# KiCad board RP2040-Breadstick Panel.kicad_pcb (continued)
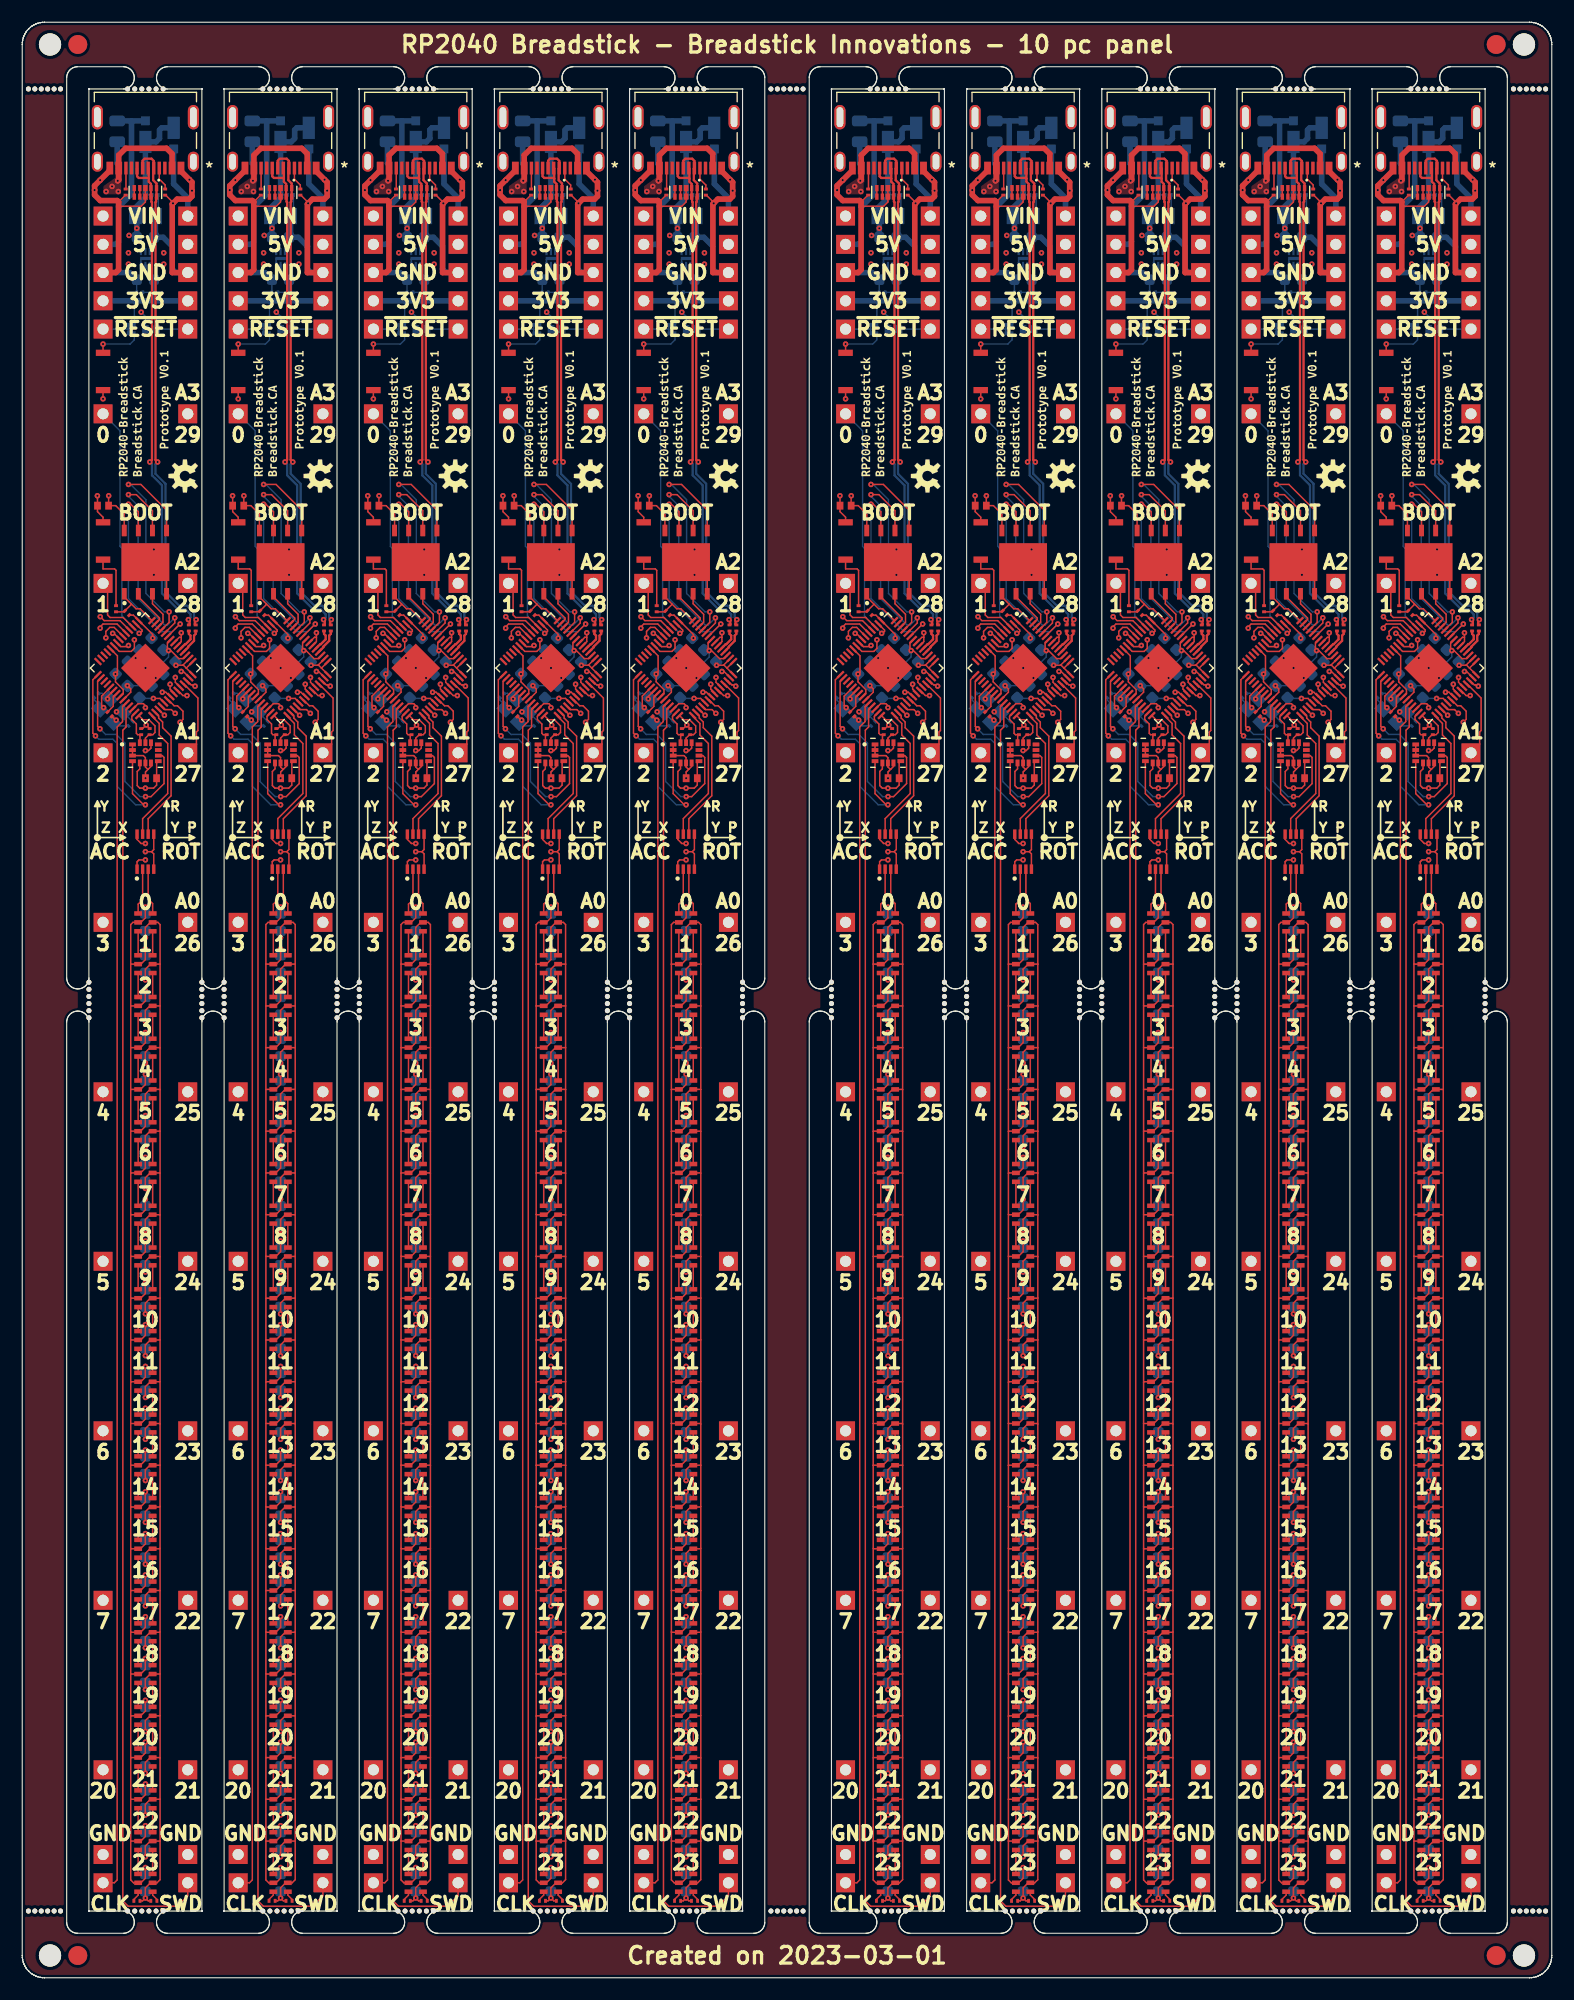
[diagram p0: board, top side]
## Nets (continued)
Board_6-Net-(LED302-Pad6): LED302.6 LED303#4.4
Board_6-Net-(LED303-Pad1): LED303#4.1 LED304#5.3
Board_6-Net-(LED303-Pad6): LED303#4.6 LED304#5.4
Board_6-Net-(LED304-Pad1): LED304#5.1 LED305#8.3
Board_6-Net-(LED304-Pad6): LED304#5.6 LED305#8.4
Board_6-Net-(LED305-Pad1): LED305#8.1 LED306#2.3
Board_6-Net-(LED305-Pad6): LED305#8.6 LED306#2.4
Board_6-Net-(LED306-Pad1): LED306#2.1 LED307.3
Board_6-Net-(LED306-Pad6): LED306#2.6 LED307.4
Board_6-Net-(LED307-Pad1): LED307.1 LED308#8.3
Board_6-Net-(LED307-Pad6): LED307.6 LED308#8.4
Board_6-Net-(LED308-Pad1): LED308#8.1 LED309#2.3
Board_6-Net-(LED308-Pad6): LED308#8.6 LED309#2.4
Board_6-Net-(LED309-Pad1): LED309#2.1 LED310#4.3
Board_6-Net-(LED309-Pad6): LED309#2.6 LED310#4.4
Board_6-Net-(LED310-Pad1): LED310#4.1 LED311#9.3
Board_6-Net-(LED310-Pad6): LED310#4.6 LED311#9.4
Board_6-Net-(LED311-Pad1): LED311#9.1 LED312#8.3
Board_6-Net-(LED311-Pad6): LED311#9.6 LED312#8.4
Board_6-Net-(LED312-Pad1): LED312#8.1 LED313#4.3
Board_6-Net-(LED312-Pad6): LED312#8.6 LED313#4.4
Board_6-Net-(LED313-Pad1): LED313#4.1 LED314#2.3
Board_6-Net-(LED313-Pad6): LED313#4.6 LED314#2.4
Board_6-Net-(LED314-Pad1): LED314#2.1 LED315#2.3
Board_6-Net-(LED314-Pad6): LED314#2.6 LED315#2.4
Board_6-Net-(LED315-Pad1): LED315#2.1 LED316#9.3
Board_6-Net-(LED315-Pad6): LED315#2.6 LED316#9.4
Board_6-Net-(LED316-Pad1): LED316#9.1 LED317#8.3
Board_6-Net-(LED316-Pad6): LED316#9.6 LED317#8.4
Board_6-Net-(LED317-Pad1): LED317#8.1 LED318#3.3
Board_6-Net-(LED317-Pad6): LED317#8.6 LED318#3.4
Board_6-Net-(LED318-Pad1): LED318#3.1 LED319#3.3
Board_6-Net-(LED318-Pad6): LED318#3.6 LED319#3.4
Board_6-Net-(LED319-Pad1): LED319#3.1 LED320#9.3
Board_6-Net-(LED319-Pad6): LED319#3.6 LED320#9.4
Board_6-Net-(LED320-Pad1): LED320#9.1 LED321#9.3
Board_6-Net-(LED320-Pad6): LED320#9.6 LED321#9.4
Board_6-Net-(LED321-Pad1): LED321#9.1 LED322#10.3
Board_6-Net-(LED321-Pad6): LED321#9.6 LED322#10.4
Board_6-Net-(LED322-Pad1): LED322#10.1 LED323.3
Board_6-Net-(LED322-Pad6): LED322#10.6 LED323.4
Board_6-Net-(LED323-Pad1): LED323.1 LED324#7.3
Board_6-Net-(LED323-Pad6): LED323.6 LED324#7.4
Board_6-Net-(LED324-Pad1): LED324#7.1 R305.1
Board_6-Net-(LED324-Pad6): LED324#7.6 R304#7.1
Board_6-Net-(R201-Pad2): R201#6.2 U201#6.21
Board_6-Net-(R204-Pad1): R204.1 SW201#2.2
Board_6-Net-(R211-Pad1): R211#8.1 SW202.2
Board_6-Net-(U202-Pad4): U202#4.4 U202#4.7
Board_6-Net-(U202-Pad5): U202#4.5 U202#4.6
Board_6-SWCLK: J223#9.1 U201#6.24
Board_6-SWD: J224#7.1 U201#6.25
Board_6-unconnected-(J221-PadA8): J221#2.A8
Board_6-unconnected-(J221-PadB8): J221#2.B8
Board_6-unconnected-(U201-Pad11): U201#6.11
Board_6-unconnected-(U201-Pad12): U201#6.12
Board_6-unconnected-(U201-Pad13): U201#6.13
Board_6-unconnected-(U201-Pad14): U201#6.14
Board_6-unconnected-(U201-Pad17): U201#6.17
Board_6-unconnected-(U201-Pad18): U201#6.18
Board_6-unconnected-(U401-Pad10): U401#5.10
Board_6-unconnected-(U401-Pad11): U401#5.11
Board_6-VBUS: F501#4.1 J221#2.A4/B9 J221#2.B4/A9
Board_6-VHI: C303#9.1 C304#4.1 C305.1 C306#6.1 C307#6.1 C308.1 C309#8.1 C310#10.1 C311#4.1 C312.1 C313#4.1 C314#2.1 C315#6.1 C316#7.1 C317#10.1 C318#4.1 C319#2.1 C320#10.1 C321#2.1 C322#8.1 C323#7.1 C324.1 C325#2.1 C326#10.1 C501#5.1 C502.1 D501#3.1 D502.1 IC301.1 LED301#8.5 LED302.5 LED303#4.5 LED304#5.5 LED305#8.5 LED306#2.5 LED307.5 LED308#8.5 LED309#2.5 LED310#4.5 LED311#9.5 LED312#8.5 LED313#4.5 LED314#2.5 LED315#2.5 LED316#9.5 LED317#8.5 LED318#3.5 LED319#3.5 LED320#9.5 LED321#9.5 LED322#10.5 LED323.5 LED324#7.5 R501#7.2 U501#4.4 U501#4.5 U501#4.6
Board_6-VIN: D501#3.2 J501#8.1 J502#8.1
Board_7-3V3_LDO: C205#5.1 C206#2.1 C210.1 C211#6.1 C216#8.1 C401#3.1 C503#9.1 IC301#4.8 J507#2.1 J508#8.1 R205#4.1 R208#10.1 R209#8.2 R210#10.2 R502#6.2 U201#5.1 U201#5.10 U201#5.22 U201#5.33 U201#5.42 U201#5.43 U201#5.44 U201#5.48 U201#5.49 U203#6.8 U401#10.5 U401#10.8 U401#10.12 U501#10.1 U501#10.2
Board_7-+1V1: C202#4.1 C204#7.1 U201#5.23 U201#5.45 U201#5.50
Board_7-/Addressable RGB LEDs/CLK: IC301#4.2 LED301#6.4
Board_7-/Addressable RGB LEDs/DATA: IC301#4.3 LED301#6.3
Board_7-/RP2040/ADC0: J220#8.1 U201#5.38
Board_7-/RP2040/ADC1: J219#7.1 U201#5.39
Board_7-/RP2040/ADC2: J218#2.1 U201#5.40
Board_7-/RP2040/ADC3: J217#5.1 U201#5.41
Board_7-/RP2040/D0: J205#10.1 U201#5.2
Board_7-/RP2040/D1: J206#2.1 U201#5.3
Board_7-/RP2040/D2: J207#9.1 U201#5.4
Board_7-/RP2040/D3: J208#4.1 U201#5.5
Board_7-/RP2040/D4: J209#5.1 U201#5.6
Board_7-/RP2040/D5: J210#6.1 U201#5.7
Board_7-/RP2040/D6: J211#3.1 U201#5.8
Board_7-/RP2040/D7: J212#4.1 U201#5.9
Board_7-/RP2040/D20: J204#6.1 U201#5.31
Board_7-/RP2040/D21: J203#9.1 U201#5.32
Board_7-/RP2040/D22: J213#4.1 U201#5.34
Board_7-/RP2040/D23: J214#10.1 U201#5.35
Board_7-/RP2040/D24: J215#6.1 U201#5.36
Board_7-/RP2040/D25: J202#2.1 U201#5.37
Board_7-/RP2040/MCU_QSPI_CSN: R204#8.2 R205#4.2 U201#5.56 U203#6.1
Board_7-/RP2040/MCU_QSPI_SCLK: U201#5.52 U203#6.6
Board_7-/RP2040/MCU_QSPI_SD0: U201#5.53 U203#6.5
Board_7-/RP2040/MCU_QSPI_SD1: U201#5.55 U203#6.2
Board_7-/RP2040/MCU_QSPI_SD2: U201#5.54 U203#6.3
Board_7-/RP2040/MCU_QSPI_SD3: U201#5.51 U203#6.7
Board_7-/RP2040/MCU_USB_D+: R203#2.1 U201#5.47
Board_7-/RP2040/MCU_USB_D-: R202#5.1 U201#5.46
Board_7-/RP2040/USB_D+: J221#10.A6 J221#10.B6 R203#2.2 U202#6.2 U202#6.9
Board_7-/RP2040/USB_D-: J221#10.A7 J221#10.B7 R202#5.2 U202#6.1 U202#6.10
Board_7-/RP2040/~{RESET}: C207#3.1 J201#9.1 J222#7.1 R208#10.2 R211#6.2 U201#5.26
Board_7-GND: C201#10.2 C202#4.2 C203#6.2 C204#7.2 C205#5.2 C206#2.2 C207#3.2 C210.2 C211#6.2 C216#8.2 C303#4.2 C304#5.2 C305#6.2 C306#3.2 C307.2 C308#7.2 C309#10.2 C310#4.2 C311#2.2 C312#5.2 C313#2.2 C314#5.2 C315#4.2 C316#5.2 C317#2.2 C318#5.2 C319#9.2 C320#5.2 C321#8.2 C322#2.2 C323.2 C324#7.2 C325#6.2 C326#9.2 C401#3.2 C501.2 C502#8.2 C503#9.2 IC301#4.4 IC301#4.5 J221#10.A1/B12 J221#10.B1/A12 J505#4.1 J506#5.1 J509#5.1 J510#4.1 LED301#6.2 LED302#6.2 LED303#9.2 LED304#6.2 LED305#6.2 LED306.2 LED307#10.2 LED308#5.2 LED309.2 LED310#3.2 LED311#10.2 LED312.2 LED313#3.2 LED314.2 LED315#4.2 LED316#6.2 LED317#9.2 LED318#10.2 LED319#9.2 LED320#4.2 LED321#6.2 LED322#7.2 LED323#7.2 LED324#10.2 R206#3.2 R207#10.2 R304#4.2 R305#8.2 R501#6.1 R502#6.1 SW201#7.1 SW202#9.1 U201#5.19 U201#5.57 U202#6.3 U202#6.8 U203#6.4 U203#6.9 U401#10.1 U401#10.2 U401#10.3 U401#10.6 U401#10.7 U501#10.3 U501#10.7 Y201.2 Y201.4
Board_7-IMU_INT1: U201#5.15 U401#10.4
Board_7-IMU_INT2: U201#5.16 U401#10.9
Board_7-IMU_SCL: R210#10.1 U201#5.28 U401#10.13
Board_7-IMU_SDA: R209#8.1 U201#5.27 U401#10.14
Board_7-LED_CLK: IC301#4.7 U201#5.29
Board_7-LED_DATA: IC301#4.6 U201#5.30
Board_7-Net-(C201-Pad1): C201#10.1 U201#5.20 Y201.1
Board_7-Net-(C203-Pad1): C203#6.1 R201#10.1 Y201.3
Board_7-Net-(J221-PadA5): J221#10.A5 R207#10.1
Board_7-Net-(J221-PadB5): J221#10.B5 R206#3.1
Board_7-Net-(LED301-Pad1): LED301#6.1 LED302#6.3
Board_7-Net-(LED301-Pad6): LED301#6.6 LED302#6.4
Board_7-Net-(LED302-Pad1): LED302#6.1 LED303#9.3
Board_7-Net-(LED302-Pad6): LED302#6.6 LED303#9.4
Board_7-Net-(LED303-Pad1): LED303#9.1 LED304#6.3
Board_7-Net-(LED303-Pad6): LED303#9.6 LED304#6.4
Board_7-Net-(LED304-Pad1): LED304#6.1 LED305#6.3
Board_7-Net-(LED304-Pad6): LED304#6.6 LED305#6.4
Board_7-Net-(LED305-Pad1): LED305#6.1 LED306.3
Board_7-Net-(LED305-Pad6): LED305#6.6 LED306.4
Board_7-Net-(LED306-Pad1): LED306.1 LED307#10.3
Board_7-Net-(LED306-Pad6): LED306.6 LED307#10.4
Board_7-Net-(LED307-Pad1): LED307#10.1 LED308#5.3
Board_7-Net-(LED307-Pad6): LED307#10.6 LED308#5.4
Board_7-Net-(LED308-Pad1): LED308#5.1 LED309.3
Board_7-Net-(LED308-Pad6): LED308#5.6 LED309.4
Board_7-Net-(LED309-Pad1): LED309.1 LED310#3.3
Board_7-Net-(LED309-Pad6): LED309.6 LED310#3.4
Board_7-Net-(LED310-Pad1): LED310#3.1 LED311#10.3
Board_7-Net-(LED310-Pad6): LED310#3.6 LED311#10.4
Board_7-Net-(LED311-Pad1): LED311#10.1 LED312.3
Board_7-Net-(LED311-Pad6): LED311#10.6 LED312.4
Board_7-Net-(LED312-Pad1): LED312.1 LED313#3.3
Board_7-Net-(LED312-Pad6): LED312.6 LED313#3.4
Board_7-Net-(LED313-Pad1): LED313#3.1 LED314.3
Board_7-Net-(LED313-Pad6): LED313#3.6 LED314.4
Board_7-Net-(LED314-Pad1): LED314.1 LED315#4.3
Board_7-Net-(LED314-Pad6): LED314.6 LED315#4.4
Board_7-Net-(LED315-Pad1): LED315#4.1 LED316#6.3
Board_7-Net-(LED315-Pad6): LED315#4.6 LED316#6.4
Board_7-Net-(LED316-Pad1): LED316#6.1 LED317#9.3
Board_7-Net-(LED316-Pad6): LED316#6.6 LED317#9.4
Board_7-Net-(LED317-Pad1): LED317#9.1 LED318#10.3
Board_7-Net-(LED317-Pad6): LED317#9.6 LED318#10.4
Board_7-Net-(LED318-Pad1): LED318#10.1 LED319#9.3
Board_7-Net-(LED318-Pad6): LED318#10.6 LED319#9.4
Board_7-Net-(LED319-Pad1): LED319#9.1 LED320#4.3
Board_7-Net-(LED319-Pad6): LED319#9.6 LED320#4.4
Board_7-Net-(LED320-Pad1): LED320#4.1 LED321#6.3
Board_7-Net-(LED320-Pad6): LED320#4.6 LED321#6.4
Board_7-Net-(LED321-Pad1): LED321#6.1 LED322#7.3
Board_7-Net-(LED321-Pad6): LED321#6.6 LED322#7.4
Board_7-Net-(LED322-Pad1): LED322#7.1 LED323#7.3
Board_7-Net-(LED322-Pad6): LED322#7.6 LED323#7.4
Board_7-Net-(LED323-Pad1): LED323#7.1 LED324#10.3
Board_7-Net-(LED323-Pad6): LED323#7.6 LED324#10.4
Board_7-Net-(LED324-Pad1): LED324#10.1 R305#8.1
Board_7-Net-(LED324-Pad6): LED324#10.6 R304#4.1
Board_7-Net-(R201-Pad2): R201#10.2 U201#5.21
Board_7-Net-(R204-Pad1): R204#8.1 SW201#7.2
Board_7-Net-(R211-Pad1): R211#6.1 SW202#9.2
Board_7-Net-(U202-Pad4): U202#6.4 U202#6.7
Board_7-Net-(U202-Pad5): U202#6.5 U202#6.6
Board_7-SWCLK: J223#7.1 U201#5.24
Board_7-SWD: J224#9.1 U201#5.25
Board_7-unconnected-(J221-PadA8): J221#10.A8
Board_7-unconnected-(J221-PadB8): J221#10.B8
Board_7-unconnected-(U201-Pad11): U201#5.11
Board_7-unconnected-(U201-Pad12): U201#5.12
Board_7-unconnected-(U201-Pad13): U201#5.13
Board_7-unconnected-(U201-Pad14): U201#5.14
Board_7-unconnected-(U201-Pad17): U201#5.17
Board_7-unconnected-(U201-Pad18): U201#5.18
Board_7-unconnected-(U401-Pad10): U401#10.10
Board_7-unconnected-(U401-Pad11): U401#10.11
Board_7-VBUS: F501#9.1 J221#10.A4/B9 J221#10.B4/A9
Board_7-VHI: C303#4.1 C304#5.1 C305#6.1 C306#3.1 C307.1 C308#7.1 C309#10.1 C310#4.1 C311#2.1 C312#5.1 C313#2.1 C314#5.1 C315#4.1 C316#5.1 C317#2.1 C318#5.1 C319#9.1 C320#5.1 C321#8.1 C322#2.1 C323.1 C324#7.1 C325#6.1 C326#9.1 C501.1 C502#8.1 D501#6.1 D502#9.1 IC301#4.1 LED301#6.5 LED302#6.5 LED303#9.5 LED304#6.5 LED305#6.5 LED306.5 LED307#10.5 LED308#5.5 LED309.5 LED310#3.5 LED311#10.5 LED312.5 LED313#3.5 LED314.5 LED315#4.5 LED316#6.5 LED317#9.5 LED318#10.5 LED319#9.5 LED320#4.5 LED321#6.5 LED322#7.5 LED323#7.5 LED324#10.5 R501#6.2 U501#10.4 U501#10.5 U501#10.6
Board_7-VIN: D501#6.2 J501#6.1 J502#7.1
Board_8-3V3_LDO: C205#9.1 C206#8.1 C210#8.1 C211#8.1 C216#9.1 C401#7.1 C503#3.1 IC301#2.8 J507#7.1 J508#2.1 R205#5.1 R208#3.1 R209#10.2 R210#3.2 R502#7.2 U201#4.1 U201#4.10 U201#4.22 U201#4.33 U201#4.42 U201#4.43 U201#4.44 U201#4.48 U201#4.49 U203#10.8 U401#6.5 U401#6.8 U401#6.12 U501.1 U501.2
Board_8-+1V1: C202#7.1 C204.1 U201#4.23 U201#4.45 U201#4.50
Board_8-/Addressable RGB LEDs/CLK: IC301#2.2 LED301#10.4
Board_8-/Addressable RGB LEDs/DATA: IC301#2.3 LED301#10.3
Board_8-/RP2040/ADC0: J220#7.1 U201#4.38
Board_8-/RP2040/ADC1: J219#8.1 U201#4.39
Board_8-/RP2040/ADC2: J218#8.1 U201#4.40
Board_8-/RP2040/ADC3: J217#7.1 U201#4.41
Board_8-/RP2040/D0: J205#7.1 U201#4.2
Board_8-/RP2040/D1: J206#4.1 U201#4.3
Board_8-/RP2040/D2: J207#7.1 U201#4.4
Board_8-/RP2040/D3: J208#7.1 U201#4.5
Board_8-/RP2040/D4: J209#4.1 U201#4.6
Board_8-/RP2040/D5: J210#9.1 U201#4.7
Board_8-/RP2040/D6: J211#2.1 U201#4.8
Board_8-/RP2040/D7: J212.1 U201#4.9
Board_8-/RP2040/D20: J204#5.1 U201#4.31
Board_8-/RP2040/D21: J203#5.1 U201#4.32
Board_8-/RP2040/D22: J213#5.1 U201#4.34
Board_8-/RP2040/D23: J214.1 U201#4.35
Board_8-/RP2040/D24: J215#9.1 U201#4.36
Board_8-/RP2040/D25: J202#4.1 U201#4.37
Board_8-/RP2040/MCU_QSPI_CSN: R204#9.2 R205#5.2 U201#4.56 U203#10.1
Board_8-/RP2040/MCU_QSPI_SCLK: U201#4.52 U203#10.6
Board_8-/RP2040/MCU_QSPI_SD0: U201#4.53 U203#10.5
Board_8-/RP2040/MCU_QSPI_SD1: U201#4.55 U203#10.2
Board_8-/RP2040/MCU_QSPI_SD2: U201#4.54 U203#10.3
Board_8-/RP2040/MCU_QSPI_SD3: U201#4.51 U203#10.7
Board_8-/RP2040/MCU_USB_D+: R203.1 U201#4.47
Board_8-/RP2040/MCU_USB_D-: R202#4.1 U201#4.46
Board_8-/RP2040/USB_D+: J221.A6 J221.B6 R203.2 U202#10.2 U202#10.9
Board_8-/RP2040/USB_D-: J221.A7 J221.B7 R202#4.2 U202#10.1 U202#10.10
Board_8-/RP2040/~{RESET}: C207.1 J201#7.1 J222#5.1 R208#3.2 R211#5.2 U201#4.26
Board_8-GND: C201#2.2 C202#7.2 C203#5.2 C204.2 C205#9.2 C206#8.2 C207.2 C210#8.2 C211#8.2 C216#9.2 C303#3.2 C304#7.2 C305#5.2 C306.2 C307#4.2 C308#9.2 C309#5.2 C310#8.2 C311#7.2 C312#2.2 C313#6.2 C314#4.2 C315#5.2 C316#6.2 C317#6.2 C318#8.2 C319.2 C320#3.2 C321#4.2 C322.2 C323#10.2 C324#5.2 C325.2 C326#7.2 C401#7.2 C501#6.2 C502#3.2 C503#3.2 IC301#2.4 IC301#2.5 J221.A1/B12 J221.B1/A12 J505#2.1 J506#7.1 J509#6.1 J510#6.1 LED301#10.2 LED302#3.2 LED303#5.2 LED304#3.2 LED305#3.2 LED306#6.2 LED307#7.2 LED308#9.2 LED309#10.2 LED310#10.2 LED311#5.2 LED312#6.2 LED313#2.2 LED314#6.2 LED315#3.2 LED316#7.2 LED317#2.2 LED318#2.2 LED319#10.2 LED320#3.2 LED321#7.2 LED322#8.2 LED323#4.2 LED324#3.2 R206#5.2 R207#3.2 R304#5.2 R305#9.2 R501#4.1 R502#7.1 SW201#8.1 SW202#8.1 U201#4.19 U201#4.57 U202#10.3 U202#10.8 U203#10.4 U203#10.9 U401#6.1 U401#6.2 U401#6.3 U401#6.6 U401#6.7 U501.3 U501.7 Y201#8.2 Y201#8.4
Board_8-IMU_INT1: U201#4.15 U401#6.4
Board_8-IMU_INT2: U201#4.16 U401#6.9
Board_8-IMU_SCL: R210#3.1 U201#4.28 U401#6.13
Board_8-IMU_SDA: R209#10.1 U201#4.27 U401#6.14
Board_8-LED_CLK: IC301#2.7 U201#4.29
Board_8-LED_DATA: IC301#2.6 U201#4.30
Board_8-Net-(C201-Pad1): C201#2.1 U201#4.20 Y201#8.1
Board_8-Net-(C203-Pad1): C203#5.1 R201#8.1 Y201#8.3
Board_8-Net-(J221-PadA5): J221.A5 R207#3.1
Board_8-Net-(J221-PadB5): J221.B5 R206#5.1
Board_8-Net-(LED301-Pad1): LED301#10.1 LED302#3.3
Board_8-Net-(LED301-Pad6): LED301#10.6 LED302#3.4
Board_8-Net-(LED302-Pad1): LED302#3.1 LED303#5.3
Board_8-Net-(LED302-Pad6): LED302#3.6 LED303#5.4
Board_8-Net-(LED303-Pad1): LED303#5.1 LED304#3.3
Board_8-Net-(LED303-Pad6): LED303#5.6 LED304#3.4
Board_8-Net-(LED304-Pad1): LED304#3.1 LED305#3.3
Board_8-Net-(LED304-Pad6): LED304#3.6 LED305#3.4
Board_8-Net-(LED305-Pad1): LED305#3.1 LED306#6.3
Board_8-Net-(LED305-Pad6): LED305#3.6 LED306#6.4
Board_8-Net-(LED306-Pad1): LED306#6.1 LED307#7.3
Board_8-Net-(LED306-Pad6): LED306#6.6 LED307#7.4
Board_8-Net-(LED307-Pad1): LED307#7.1 LED308#9.3
Board_8-Net-(LED307-Pad6): LED307#7.6 LED308#9.4
Board_8-Net-(LED308-Pad1): LED308#9.1 LED309#10.3
Board_8-Net-(LED308-Pad6): LED308#9.6 LED309#10.4
Board_8-Net-(LED309-Pad1): LED309#10.1 LED310#10.3
Board_8-Net-(LED309-Pad6): LED309#10.6 LED310#10.4
Board_8-Net-(LED310-Pad1): LED310#10.1 LED311#5.3
Board_8-Net-(LED310-Pad6): LED310#10.6 LED311#5.4
Board_8-Net-(LED311-Pad1): LED311#5.1 LED312#6.3
Board_8-Net-(LED311-Pad6): LED311#5.6 LED312#6.4
Board_8-Net-(LED312-Pad1): LED312#6.1 LED313#2.3
Board_8-Net-(LED312-Pad6): LED312#6.6 LED313#2.4
Board_8-Net-(LED313-Pad1): LED313#2.1 LED314#6.3
Board_8-Net-(LED313-Pad6): LED313#2.6 LED314#6.4
Board_8-Net-(LED314-Pad1): LED314#6.1 LED315#3.3
Board_8-Net-(LED314-Pad6): LED314#6.6 LED315#3.4
Board_8-Net-(LED315-Pad1): LED315#3.1 LED316#7.3
Board_8-Net-(LED315-Pad6): LED315#3.6 LED316#7.4
Board_8-Net-(LED316-Pad1): LED316#7.1 LED317#2.3
Board_8-Net-(LED316-Pad6): LED316#7.6 LED317#2.4
Board_8-Net-(LED317-Pad1): LED317#2.1 LED318#2.3
Board_8-Net-(LED317-Pad6): LED317#2.6 LED318#2.4
Board_8-Net-(LED318-Pad1): LED318#2.1 LED319#10.3
Board_8-Net-(LED318-Pad6): LED318#2.6 LED319#10.4
Board_8-Net-(LED319-Pad1): LED319#10.1 LED320#3.3
Board_8-Net-(LED319-Pad6): LED319#10.6 LED320#3.4
Board_8-Net-(LED320-Pad1): LED320#3.1 LED321#7.3
Board_8-Net-(LED320-Pad6): LED320#3.6 LED321#7.4
Board_8-Net-(LED321-Pad1): LED321#7.1 LED322#8.3
Board_8-Net-(LED321-Pad6): LED321#7.6 LED322#8.4
Board_8-Net-(LED322-Pad1): LED322#8.1 LED323#4.3
Board_8-Net-(LED322-Pad6): LED322#8.6 LED323#4.4
Board_8-Net-(LED323-Pad1): LED323#4.1 LED324#3.3
Board_8-Net-(LED323-Pad6): LED323#4.6 LED324#3.4
Board_8-Net-(LED324-Pad1): LED324#3.1 R305#9.1
Board_8-Net-(LED324-Pad6): LED324#3.6 R304#5.1
Board_8-Net-(R201-Pad2): R201#8.2 U201#4.21
Board_8-Net-(R204-Pad1): R204#9.1 SW201#8.2
Board_8-Net-(R211-Pad1): R211#5.1 SW202#8.2
Board_8-Net-(U202-Pad4): U202#10.4 U202#10.7
Board_8-Net-(U202-Pad5): U202#10.5 U202#10.6
Board_8-SWCLK: J223#8.1 U201#4.24
Board_8-SWD: J224#6.1 U201#4.25
Board_8-unconnected-(J221-PadA8): J221.A8
Board_8-unconnected-(J221-PadB8): J221.B8
Board_8-unconnected-(U201-Pad11): U201#4.11
Board_8-unconnected-(U201-Pad12): U201#4.12
Board_8-unconnected-(U201-Pad13): U201#4.13
Board_8-unconnected-(U201-Pad14): U201#4.14
Board_8-unconnected-(U201-Pad17): U201#4.17
Board_8-unconnected-(U201-Pad18): U201#4.18
Board_8-unconnected-(U401-Pad10): U401#6.10
Board_8-unconnected-(U401-Pad11): U401#6.11
Board_8-VBUS: F501#2.1 J221.A4/B9 J221.B4/A9
Board_8-VHI: C303#3.1 C304#7.1 C305#5.1 C306.1 C307#4.1 C308#9.1 C309#5.1 C310#8.1 C311#7.1 C312#2.1 C313#6.1 C314#4.1 C315#5.1 C316#6.1 C317#6.1 C318#8.1 C319.1 C320#3.1 C321#4.1 C322.1 C323#10.1 C324#5.1 C325.1 C326#7.1 C501#6.1 C502#3.1 D501#2.1 D502#4.1 IC301#2.1 LED301#10.5 LED302#3.5 LED303#5.5 LED304#3.5 LED305#3.5 LED306#6.5 LED307#7.5 LED308#9.5 LED309#10.5 LED310#10.5 LED311#5.5 LED312#6.5 LED313#2.5 LED314#6.5 LED315#3.5 LED316#7.5 LED317#2.5 LED318#2.5 LED319#10.5 LED320#3.5 LED321#7.5 LED322#8.5 LED323#4.5 LED324#3.5 R501#4.2 U501.4 U501.5 U501.6
Board_8-VIN: D501#2.2 J501#5.1 J502#9.1
Board_9-3V3_LDO: C205#8.1 C206#4.1 C210#5.1 C211#3.1 C216#5.1 C401#5.1 C503#6.1 IC301#10.8 J507#8.1 J508#6.1 R205#9.1 R208#4.1 R209.2 R210#6.2 R502#5.2 U201#3.1 U201#3.10 U201#3.22 U201#3.33 U201#3.42 U201#3.43 U201#3.44 U201#3.48 U201#3.49 U203#4.8 U401#7.5 U401#7.8 U401#7.12 U501#9.1 U501#9.2
Board_9-+1V1: C202#5.1 C204#10.1 U201#3.23 U201#3.45 U201#3.50
Board_9-/Addressable RGB LEDs/CLK: IC301#10.2 LED301#7.4
Board_9-/Addressable RGB LEDs/DATA: IC301#10.3 LED301#7.3
Board_9-/RP2040/ADC0: J220.1 U201#3.38
Board_9-/RP2040/ADC1: J219#3.1 U201#3.39
Board_9-/RP2040/ADC2: J218#3.1 U201#3.40
Board_9-/RP2040/ADC3: J217#10.1 U201#3.41
Board_9-/RP2040/D0: J205#6.1 U201#3.2
Board_9-/RP2040/D1: J206#5.1 U201#3.3
Board_9-/RP2040/D2: J207#8.1 U201#3.4
Board_9-/RP2040/D3: J208#2.1 U201#3.5
Board_9-/RP2040/D4: J209.1 U201#3.6
Board_9-/RP2040/D5: J210#5.1 U201#3.7
Board_9-/RP2040/D6: J211#6.1 U201#3.8
Board_9-/RP2040/D7: J212#2.1 U201#3.9
Board_9-/RP2040/D20: J204#7.1 U201#3.31
Board_9-/RP2040/D21: J203#10.1 U201#3.32
Board_9-/RP2040/D22: J213#2.1 U201#3.34
Board_9-/RP2040/D23: J214#8.1 U201#3.35
Board_9-/RP2040/D24: J215#4.1 U201#3.36
Board_9-/RP2040/D25: J202#5.1 U201#3.37
Board_9-/RP2040/MCU_QSPI_CSN: R204#10.2 R205#9.2 U201#3.56 U203#4.1
Board_9-/RP2040/MCU_QSPI_SCLK: U201#3.52 U203#4.6
Board_9-/RP2040/MCU_QSPI_SD0: U201#3.53 U203#4.5
Board_9-/RP2040/MCU_QSPI_SD1: U201#3.55 U203#4.2
Board_9-/RP2040/MCU_QSPI_SD2: U201#3.54 U203#4.3
Board_9-/RP2040/MCU_QSPI_SD3: U201#3.51 U203#4.7
Board_9-/RP2040/MCU_USB_D+: R203#8.1 U201#3.47
Board_9-/RP2040/MCU_USB_D-: R202.1 U201#3.46
Board_9-/RP2040/USB_D+: J221#4.A6 J221#4.B6 R203#8.2 U202#3.2 U202#3.9
Board_9-/RP2040/USB_D-: J221#4.A7 J221#4.B7 R202.2 U202#3.1 U202#3.10
Board_9-/RP2040/~{RESET}: C207#5.1 J201#3.1 J222#4.1 R208#4.2 R211#9.2 U201#3.26
Board_9-GND: C201#9.2 C202#5.2 C203.2 C204#10.2 C205#8.2 C206#4.2 C207#5.2 C210#5.2 C211#3.2 C216#5.2 C303.2 C304#6.2 C305#3.2 C306#5.2 C307#3.2 C308#2.2 C309#3.2 C310#7.2 C311#5.2 C312#3.2 C313#7.2 C314#7.2 C315#10.2 C316#10.2 C317#5.2 C318#9.2 C319#6.2 C320#7.2 C321#3.2 C322#6.2 C323#4.2 C324#2.2 C325#10.2 C326#4.2 C401#5.2 C501#4.2 C502#5.2 C503#6.2 IC301#10.4 IC301#10.5 J221#4.A1/B12 J221#4.B1/A12 J505#8.1 J506#3.1 J509#9.1 J510#5.1 LED301#7.2 LED302#5.2 LED303#8.2 LED304#9.2 LED305#4.2 LED306#7.2 LED307#8.2 LED308#7.2 LED309#5.2 LED310#2.2 LED311#4.2 LED312#2.2 LED313#10.2 LED314#7.2 LED315#5.2 LED316#8.2 LED317#10.2 LED318.2 LED319#6.2 LED320#10.2 LED321#2.2 LED322#4.2 LED323#6.2 LED324#4.2 R206#10.2 R207#4.2 R304#6.2 R305#6.2 R501#5.1 R502#5.1 SW201#3.1 SW202#6.1 U201#3.19 U201#3.57 U202#3.3 U202#3.8 U203#4.4 U203#4.9 U401#7.1 U401#7.2 U401#7.3 U401#7.6 U401#7.7 U501#9.3 U501#9.7 Y201#2.2 Y201#2.4
Board_9-IMU_INT1: U201#3.15 U401#7.4
Board_9-IMU_INT2: U201#3.16 U401#7.9
Board_9-IMU_SCL: R210#6.1 U201#3.28 U401#7.13
Board_9-IMU_SDA: R209.1 U201#3.27 U401#7.14
Board_9-LED_CLK: IC301#10.7 U201#3.29
Board_9-LED_DATA: IC301#10.6 U201#3.30
Board_9-Net-(C201-Pad1): C201#9.1 U201#3.20 Y201#2.1
Board_9-Net-(C203-Pad1): C203.1 R201#9.1 Y201#2.3
Board_9-Net-(J221-PadA5): J221#4.A5 R207#4.1
Board_9-Net-(J221-PadB5): J221#4.B5 R206#10.1
Board_9-Net-(LED301-Pad1): LED301#7.1 LED302#5.3
Board_9-Net-(LED301-Pad6): LED301#7.6 LED302#5.4
Board_9-Net-(LED302-Pad1): LED302#5.1 LED303#8.3
Board_9-Net-(LED302-Pad6): LED302#5.6 LED303#8.4
Board_9-Net-(LED303-Pad1): LED303#8.1 LED304#9.3
Board_9-Net-(LED303-Pad6): LED303#8.6 LED304#9.4
Board_9-Net-(LED304-Pad1): LED304#9.1 LED305#4.3
Board_9-Net-(LED304-Pad6): LED304#9.6 LED305#4.4
Board_9-Net-(LED305-Pad1): LED305#4.1 LED306#7.3
Board_9-Net-(LED305-Pad6): LED305#4.6 LED306#7.4
Board_9-Net-(LED306-Pad1): LED306#7.1 LED307#8.3
Board_9-Net-(LED306-Pad6): LED306#7.6 LED307#8.4
Board_9-Net-(LED307-Pad1): LED307#8.1 LED308#7.3
Board_9-Net-(LED307-Pad6): LED307#8.6 LED308#7.4
Board_9-Net-(LED308-Pad1): LED308#7.1 LED309#5.3
Board_9-Net-(LED308-Pad6): LED308#7.6 LED309#5.4
Board_9-Net-(LED309-Pad1): LED309#5.1 LED310#2.3
Board_9-Net-(LED309-Pad6): LED309#5.6 LED310#2.4
Board_9-Net-(LED310-Pad1): LED310#2.1 LED311#4.3
Board_9-Net-(LED310-Pad6): LED310#2.6 LED311#4.4
Board_9-Net-(LED311-Pad1): LED311#4.1 LED312#2.3
Board_9-Net-(LED311-Pad6): LED311#4.6 LED312#2.4
Board_9-Net-(LED312-Pad1): LED312#2.1 LED313#10.3
Board_9-Net-(LED312-Pad6): LED312#2.6 LED313#10.4
Board_9-Net-(LED313-Pad1): LED313#10.1 LED314#7.3
Board_9-Net-(LED313-Pad6): LED313#10.6 LED314#7.4
Board_9-Net-(LED314-Pad1): LED314#7.1 LED315#5.3
Board_9-Net-(LED314-Pad6): LED314#7.6 LED315#5.4
Board_9-Net-(LED315-Pad1): LED315#5.1 LED316#8.3
Board_9-Net-(LED315-Pad6): LED315#5.6 LED316#8.4
Board_9-Net-(LED316-Pad1): LED316#8.1 LED317#10.3
Board_9-Net-(LED316-Pad6): LED316#8.6 LED317#10.4
Board_9-Net-(LED317-Pad1): LED317#10.1 LED318.3
Board_9-Net-(LED317-Pad6): LED317#10.6 LED318.4
Board_9-Net-(LED318-Pad1): LED318.1 LED319#6.3
Board_9-Net-(LED318-Pad6): LED318.6 LED319#6.4
Board_9-Net-(LED319-Pad1): LED319#6.1 LED320#10.3
Board_9-Net-(LED319-Pad6): LED319#6.6 LED320#10.4
Board_9-Net-(LED320-Pad1): LED320#10.1 LED321#2.3
Board_9-Net-(LED320-Pad6): LED320#10.6 LED321#2.4
Board_9-Net-(LED321-Pad1): LED321#2.1 LED322#4.3
Board_9-Net-(LED321-Pad6): LED321#2.6 LED322#4.4
Board_9-Net-(LED322-Pad1): LED322#4.1 LED323#6.3
Board_9-Net-(LED322-Pad6): LED322#4.6 LED323#6.4
Board_9-Net-(LED323-Pad1): LED323#6.1 LED324#4.3
Board_9-Net-(LED323-Pad6): LED323#6.6 LED324#4.4
Board_9-Net-(LED324-Pad1): LED324#4.1 R305#6.1
Board_9-Net-(LED324-Pad6): LED324#4.6 R304#6.1
Board_9-Net-(R201-Pad2): R201#9.2 U201#3.21
Board_9-Net-(R204-Pad1): R204#10.1 SW201#3.2
Board_9-Net-(R211-Pad1): R211#9.1 SW202#6.2
Board_9-Net-(U202-Pad4): U202#3.4 U202#3.7
Board_9-Net-(U202-Pad5): U202#3.5 U202#3.6
Board_9-SWCLK: J223#3.1 U201#3.24
Board_9-SWD: J224#4.1 U201#3.25
Board_9-unconnected-(J221-PadA8): J221#4.A8
Board_9-unconnected-(J221-PadB8): J221#4.B8
Board_9-unconnected-(U201-Pad11): U201#3.11
Board_9-unconnected-(U201-Pad12): U201#3.12
Board_9-unconnected-(U201-Pad13): U201#3.13
Board_9-unconnected-(U201-Pad14): U201#3.14
Board_9-unconnected-(U201-Pad17): U201#3.17
Board_9-unconnected-(U201-Pad18): U201#3.18
Board_9-unconnected-(U401-Pad10): U401#7.10
Board_9-unconnected-(U401-Pad11): U401#7.11
Board_9-VBUS: F501#7.1 J221#4.A4/B9 J221#4.B4/A9
Board_9-VHI: C303.1 C304#6.1 C305#3.1 C306#5.1 C307#3.1 C308#2.1 C309#3.1 C310#7.1 C311#5.1 C312#3.1 C313#7.1 C314#7.1 C315#10.1 C316#10.1 C317#5.1 C318#9.1 C319#6.1 C320#7.1 C321#3.1 C322#6.1 C323#4.1 C324#2.1 C325#10.1 C326#4.1 C501#4.1 C502#5.1 D501#7.1 D502#3.1 IC301#10.1 LED301#7.5 LED302#5.5 LED303#8.5 LED304#9.5 LED305#4.5 LED306#7.5 LED307#8.5 LED308#7.5 LED309#5.5 LED310#2.5 LED311#4.5 LED312#2.5 LED313#10.5 LED314#7.5 LED315#5.5 LED316#8.5 LED317#10.5 LED318.5 LED319#6.5 LED320#10.5 LED321#2.5 LED322#4.5 LED323#6.5 LED324#4.5 R501#5.2 U501#9.4 U501#9.5 U501#9.6
Board_9-VIN: D501#7.2 J501#9.1 J502#2.1

Pads without a net: J221 13 14 15 16; J221#2 13 14 15 16; J221#3 13 14 15 16; J221#4 13 14 15 16; J221#5 13 14 15 16; J221#6 13 14 15 16; J221#7 13 14 15 16; J221#8 13 14 15 16; J221#9 13 14 15 16; J221#10 13 14 15 16

## Via types
v1: diameter 0.5, hole 0.2, L1_SIG.Cu to L8_SIG.Cu, 1220 vias
